# Allegro board Microroc_Hardroc2b_Test_Board.brd (continued)
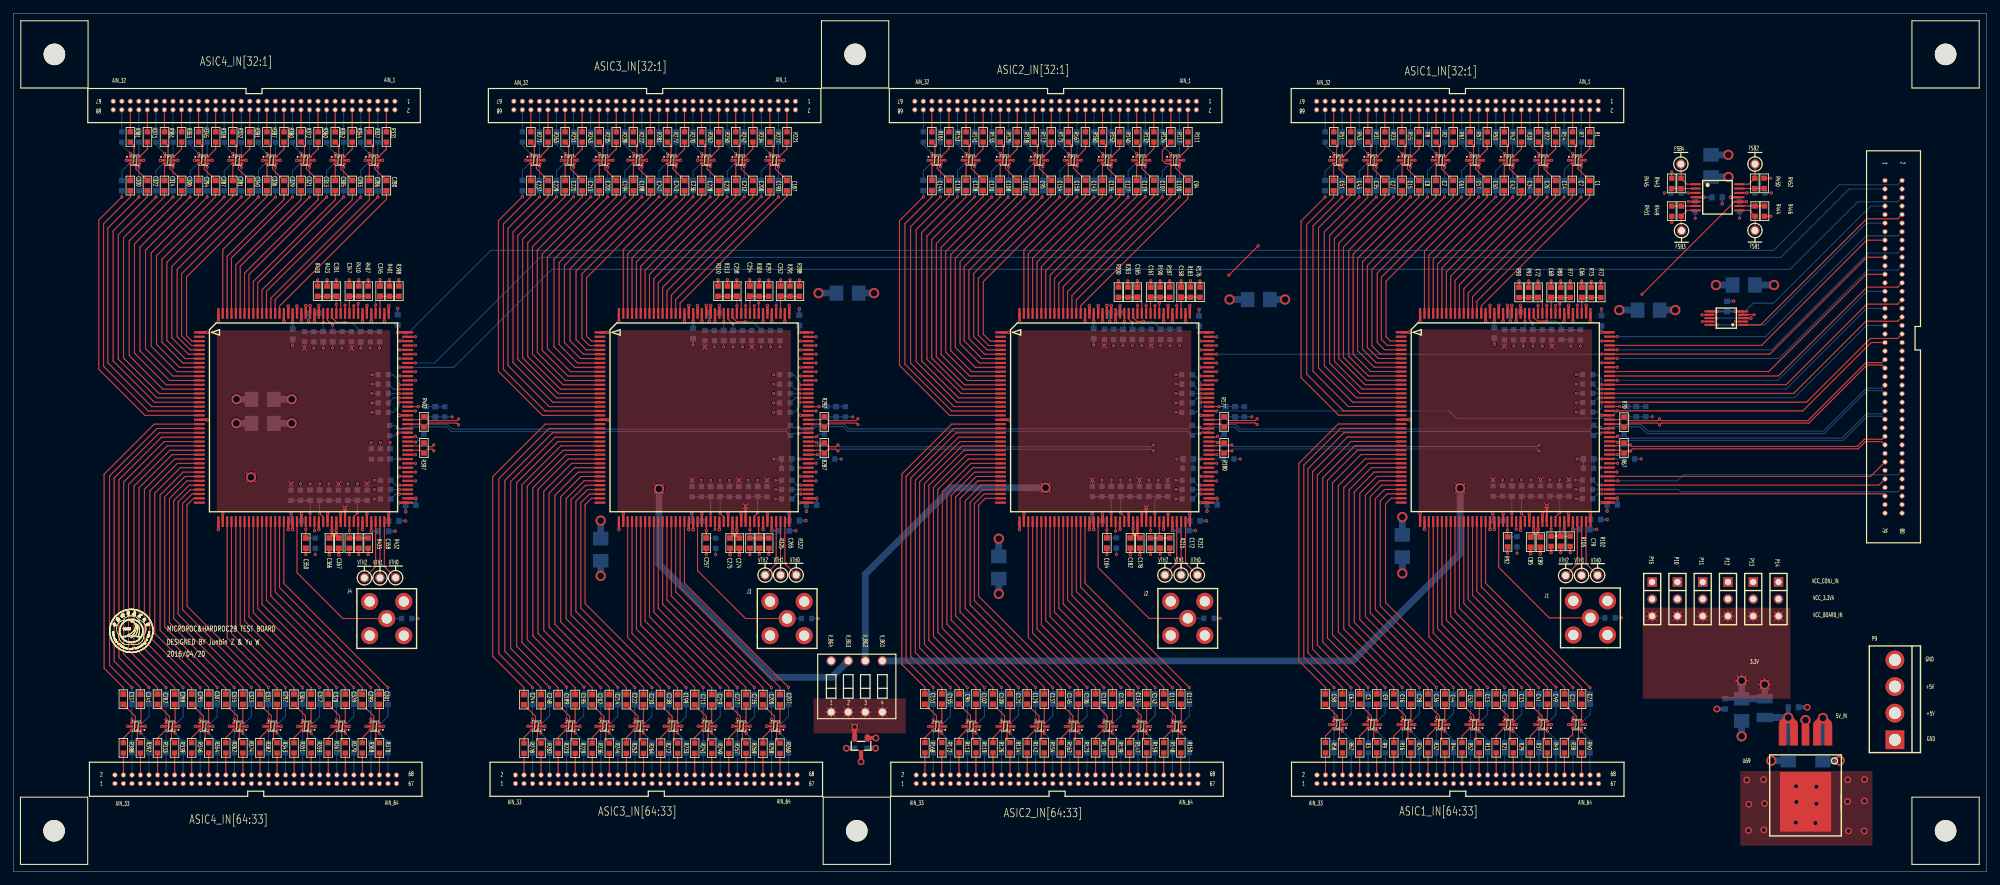
[diagram p0: board, top side]
## Footprints (pads in the part's own frame, mm; a bottom-side part is the same pattern mirrored in y, then rotated) (continued)
SWITCH-4P-DIP
  round 1.397 hole 1.016: 1(2.007,0.991) 2(4.547,0.991) 3(7.087,0.991) 4(9.627,0.991) 5(9.627,8.611) 6(7.087,8.611) 7(4.547,8.611) 8(2.007,8.611)
TP_40MIL
  round 1.397 hole 1.016: 1(0,0)
unnamed
  round 3.2 hole 3.2 unplated: (0,0)

## Nets
5V_IN: C373.1 P9.2 P9.3 U69.1(/SHDN) U69.2(IN)
GND: C65.1 C66.1 C67.1 C68.1 C69.1 C70.1 C71.1 C72.1 C73.2 C74.2 C75.1 C76.1 C77.1 C78.1 C79.1 C80.1 C81.1 C82.2 C83.2 C84.2 C85.2 C86.2 C87.2 C88.2 C89.2 C90.2 C91.2 C92.2 C93.1 C158.1 C159.1 C160.1 C161.1 C162.1 C163.1 C164.1 C165.1 C166.2 C167.1 C168.1 C169.1 C170.2 C171.1 C172.1 C173.1 C174.2 C175.2 C176.2 C177.2 C178.2 C179.2 C180.2 C181.2 C182.2 C183.1 C184.2 C185.2 C186.1 C251.1 C252.1 C253.1 C254.1 C255.1 C256.1 C257.1 C258.1 C259.2 C260.2 C261.1 C262.1 C263.1 C264.1 C265.1 C266.1 C267.2 C268.2 C269.2 C270.2 C271.2 C272.2 C273.2 C274.2 C275.2 C276.1 C277.2 C278.2 C279.1 C344.1 C345.1 C346.1 C347.1 C348.1 C349.1 C350.1 C351.1 C352.2 C353.1 C354.1 C355.2 C356.1 C357.1 C358.1 C359.1 C360.2 C361.2 C362.2 C363.2 C364.2 C365.2 C366.2 C367.2 C368.2 C369.1 C370.2 C371.2 C372.1 C373.2 C374.2 C375.2 C376.2 C377.2 C378.2 C379.2 C380.2 C381.2 C382.2 C383.2 J1.2 J1.3 J1.4 J1.5 J2.2 J2.3 J2.4 J2.5 J3.2 J3.3 J3.4 J3.5 J4.2 J4.3 J4.4 J4.5 P1.1 P1.2 P1.3 P1.5 P1.7 P1.9 P1.11 P1.13 P1.15 P1.17 P1.19 P1.21 P1.23 P1.25 P1.27 P1.29 P1.31 P1.33 P1.35 P1.37 P1.39 P1.41 P1.43 P1.45 P1.47 P1.49 P1.51 P1.53 P1.55 P1.57 P1.59 P1.61 P1.63 P1.65 P1.67 P1.68 P2.1 P2.2 P2.3 P2.5 P2.7 P2.9 P2.11 P2.13 P2.15 P2.17 P2.19 P2.21 P2.23 P2.25 P2.27 P2.29 P2.31 P2.33 P2.35 P2.37 P2.39 P2.41 P2.43 P2.45 P2.47 P2.49 P2.51 P2.53 P2.55 P2.57 P2.59 P2.61 P2.63 P2.65 P2.67 P2.68 P3.1 P3.2 P3.3 P3.5 P3.7 P3.9 P3.11 P3.13 P3.15 P3.17 P3.19 P3.21 P3.23 P3.25 P3.27 P3.29 P3.31 P3.33 P3.35 P3.37 P3.39 P3.41 P3.43 P3.45 P3.47 P3.49 P3.51 P3.53 P3.55 P3.57 P3.59 P3.61 P3.63 P3.65 P3.67 P3.68 P4.1 P4.2 P4.3 P4.5 P4.7 P4.9 P4.11 P4.13 P4.15 P4.17 P4.19 P4.21 P4.23 P4.25 P4.27 P4.29 P4.31 P4.33 P4.35 P4.37 P4.39 P4.41 P4.43 P4.45 P4.47 P4.49 P4.51 P4.53 P4.55 P4.57 P4.59 P4.61 P4.63 P4.65 P4.67 P4.68 P5.1 P5.2 P5.3 P5.5 P5.7 P5.9 P5.11 P5.13 P5.15 P5.17 P5.19 P5.21 P5.23 P5.25 P5.27 P5.29 P5.31 P5.33 P5.35 P5.37 P5.39 P5.41 P5.43 P5.45 P5.47 P5.49 P5.51 P5.53 P5.55 P5.57 P5.59 P5.61 P5.63 P5.65 P5.67 P5.68 P6.1 P6.2 P6.3 P6.5 P6.7 P6.9 P6.11 P6.13 P6.15 P6.17 P6.19 P6.21 P6.23 P6.25 P6.27 P6.29 P6.31 P6.33 P6.35 P6.37 P6.39 P6.41 P6.43 P6.45 P6.47 P6.49 P6.51 P6.53 P6.55 P6.57 P6.59 P6.61 P6.63 P6.65 P6.67 P6.68 P7.1 P7.2 P7.3 P7.5 P7.7 P7.9 P7.11 P7.13 P7.15 P7.17 P7.19 P7.21 P7.23 P7.25 P7.27 P7.29 P7.31 P7.33 P7.35 P7.37 P7.39 P7.41 P7.43 P7.45 P7.47 P7.49 P7.51 P7.53 P7.55 P7.57 P7.59 P7.61 P7.63 P7.65 P7.67 P7.68 P8.1 P8.2 P8.3 P8.5 P8.7 P8.9 P8.11 P8.13 P8.15 P8.17 P8.19 P8.21 P8.23 P8.25 P8.27 P8.29 P8.31 P8.33 P8.35 P8.37 P8.39 P8.41 P8.43 P8.45 P8.47 P8.49 P8.51 P8.53 P8.55 P8.57 P8.59 P8.61 P8.63 P8.65 P8.67 P8.68 P9.1 P9.4 R66.2 R73.2 R74.1 R75.2 R80.2 R85.2 R91.2 R92.2 R93.2 R97.2 R98.1 R99.2 R100.2 R104.2 R105.2 R106.2 R108.2 R110.2 R179.2 R183.2 R184.1 R185.2 R190.2 R195.2 R201.2 R202.2 R203.2 R207.2 R208.2 R209.1 R210.2 R214.2 R215.2 R216.2 R218.2 R220.2 R286.2 R291.2 R293.1 R295.2 R300.2 R305.2 R311.2 R312.2 R313.2 R317.2 R318.1 R319.2 R320.2 R324.2 R325.2 R326.2 R328.2 R330.2 R396.2 R401.2 R403.1 R405.2 R410.2 R415.2 R421.2 R422.2 R423.2 R427.2 R428.2 R429.2 R430.1 R434.2 R435.2 R436.2 R438.2 R440.2 R441.1 R442.1 R445.1 R446.1 R447.1 R448.1 R451.1 R452.1 U1.2(VN) U2.2(VN) U3.2(VN) U4.2(VN) U5.2(VN) U6.2(VN) U7.2(VN) U8.2(VN) U9.2(VN) U10.2(VN) U11.2(VN) U12.2(VN) U13.2(VN) U14.2(VN) U15.2(VN) U16.2(VN) U17.1(VSSI#1) U17.21(GND_PA#21) U17.41(VSSI#41) U17.42(GND_PA#42) U17.57(GND_PA#57) U17.58(VSSA#58) U17.64(GND_NMOS#64) U17.66(GND_DAC) U17.69(GND_BG) U17.74(VSSA#74) U17.75(VSSM#75) U17.81(VSSD#81) U17.101(VSSD#101) U17.121(VSSD#121) U17.122(GNDD) U17.125(GND_D) U17.126(VSSM#126) U17.127(VSSA#127) U17.138(GND_FSB1) U17.139(GND_FSB0) U17.140(GND_NMOS#140) U17.141(GND_CAPA) U17.142(GND_SS) U17.144(VSSA#144) U17.145(GND_PA#145) U17.160(GND_PA#160) U18.2(VN) U19.2(VN) U20.2(VN) U21.2(VN) U22.2(VN) U23.2(VN) U24.2(VN) U25.2(VN) U26.2(VN) U27.2(VN) U28.2(VN) U29.2(VN) U30.2(VN) U31.2(VN) U32.2(VN) U33.2(VN) U34.1(VSSI#1) U34.21(GND_PA#21) U34.41(VSSI#41) U34.42(GND_PA#42) U34.57(GND_PA#57) U34.58(VSSA#58) U34.64(GND_NMOS#64) U34.66(GND_DAC) U34.69(GND_BG) U34.74(VSSA#74) U34.75(VSSM#75) U34.81(VSSD#81) U34.101(VSSD#101) U34.121(VSSD#121) U34.122(GNDD) U34.125(GND_D) U34.126(VSSM#126) U34.127(VSSA#127) U34.138(GND_FSB1) U34.139(GND_FSB0) U34.140(GND_NMOS#140) U34.141(GND_CAPA) U34.142(GND_SS) U34.144(VSSA#144) U34.145(GND_PA#145) U34.160(GND_PA#160) U35.2(VN) U36.2(VN) U37.2(VN) U38.2(VN) U39.2(VN) U40.2(VN) U41.2(VN) U42.2(VN) U43.2(VN) U44.2(VN) U45.2(VN) U46.2(VN) U47.2(VN) U48.2(VN) U49.2(VN) U50.2(VN) U51.1(VSSI#1) U51.21(GND_PA#21) U51.41(VSSI#41) U51.42(GND_PA#42) U51.57(GND_PA#57) U51.58(VSSA#58) U51.64(GND_NMOS#64) U51.66(GND_DAC) U51.69(GND_BG) U51.74(VSSA#74) U51.75(VSSM#75) U51.81(VSSD#81) U51.101(VSSD#101) U51.121(VSSD#121) U51.122(GNDD) U51.125(GND_D) U51.126(VSSM#126) U51.127(VSSA#127) U51.138(GND_FSB1) U51.139(GND_FSB0) U51.140(GND_NMOS#140) U51.141(GND_CAPA) U51.142(GND_SS) U51.144(VSSA#144) U51.145(GND_PA#145) U51.160(GND_PA#160) U52.2(VN) U53.2(VN) U54.2(VN) U55.2(VN) U56.2(VN) U57.2(VN) U58.2(VN) U59.2(VN) U60.2(VN) U61.2(VN) U62.2(VN) U63.2(VN) U64.2(VN) U65.2(VN) U66.2(VN) U67.2(VN) U68.1(VSSI#1) U68.21(GND_PA#21) U68.41(VSSI#41) U68.42(GND_PA#42) U68.57(GND_PA#57) U68.58(VSSA#58) U68.64(GND_NMOS#64) U68.66(GND_DAC) U68.69(GND_BG) U68.74(VSSA#74) U68.75(VSSM#75) U68.81(VSSD#81) U68.101(VSSD#101) U68.121(VSSD#121) U68.122(GNDD) U68.125(GND_D) U68.126(VSSM#126) U68.127(VSSA#127) U68.138(GND_FSB1) U68.139(GND_FSB0) U68.140(GND_NMOS#140) U68.141(GND_CAPA) U68.142(GND_SS) U68.144(VSSA#144) U68.145(GND_PA#145) U68.160(GND_PA#160) U69.3(GND) U69.6(NC) U70.3(GND) U71.1 U71.4 U71.9 U71.12 U71.17 U71.20 U71.25 U71.28 U71.33 U71.36 U71.40 U71.41 U71.44 U71.46 U71.50 U71.52 U71.53 U71.56 U71.58 U71.62 U71.64 U71.65 U71.72 U71.73 U71.79 U71.80 U72.3(GND) U73.11(-VS)
VCC3.3VA: C82.1 C83.1 C84.1 C85.1 C86.1 C87.1 C88.1 C89.1 C90.1 C91.1 C92.1 C174.1 C175.1 C176.1 C177.1 C178.1 C179.1 C180.1 C181.1 C182.1 C184.1 C185.1 C267.1 C268.1 C269.1 C270.1 C271.1 C272.1 C273.1 C274.1 C275.1 C277.1 C278.1 C360.1 C361.1 C362.1 C363.1 C364.1 C365.1 C366.1 C367.1 C368.1 C370.1 C371.1 C378.1 C380.1 C381.1 C382.1 C383.1 P10.2 P11.2 P12.2 P13.2 P14.2 P15.2 R65.1 R71.1 R72.1 R76.1 R77.1 R78.2 R79.1 R81.1 R82.1 R83.1 R84.1 R86.1 R87.1 R89.1 R90.1 R95.1 R96.1 R102.1 R103.1 R175.1 R176.1 R178.1 R186.1 R187.1 R188.2 R189.1 R191.1 R192.1 R193.1 R194.1 R196.1 R197.1 R199.1 R200.1 R205.1 R206.1 R212.1 R213.1 R285.1 R288.1 R294.1 R296.1 R297.1 R298.2 R299.1 R301.1 R302.1 R303.1 R304.1 R306.1 R307.1 R309.1 R310.1 R315.1 R316.1 R322.1 R323.1 R395.1 R398.1 R404.1 R406.1 R407.1 R408.2 R409.1 R411.1 R412.1 R413.1 R414.1 R416.1 R417.1 R419.1 R420.1 R425.1 R426.1 R432.1 R433.1 U1.5(VP) U2.5(VP) U3.5(VP) U4.5(VP) U5.5(VP) U6.5(VP) U7.5(VP) U8.5(VP) U9.5(VP) U10.5(VP) U11.5(VP) U12.5(VP) U13.5(VP) U14.5(VP) U15.5(VP) U16.5(VP) U17.60(VDD_PA) U17.67(VDD_DAC) U17.68(VDD_BG) U17.76(VDD_D) U17.80(VDDD2) U17.82(VDDD#82) U17.120(VDDD#120) U17.137(VDD_FSB) U17.143(VDD_SS) U18.5(VP) U19.5(VP) U20.5(VP) U21.5(VP) U22.5(VP) U23.5(VP) U24.5(VP) U25.5(VP) U26.5(VP) U27.5(VP) U28.5(VP) U29.5(VP) U30.5(VP) U31.5(VP) U32.5(VP) U33.5(VP) U34.60(VDD_PA) U34.67(VDD_DAC) U34.68(VDD_BG) U34.76(VDD_D) U34.80(VDDD2) U34.82(VDDD#82) U34.120(VDDD#120) U34.137(VDD_FSB) U34.143(VDD_SS) U35.5(VP) U36.5(VP) U37.5(VP) U38.5(VP) U39.5(VP) U40.5(VP) U41.5(VP) U42.5(VP) U43.5(VP) U44.5(VP) U45.5(VP) U46.5(VP) U47.5(VP) U48.5(VP) U49.5(VP) U50.5(VP) U51.60(VDD_PA) U51.67(VDD_DAC) U51.68(VDD_BG) U51.76(VDD_D) U51.80(VDDD2) U51.82(VDDD#82) U51.120(VDDD#120) U51.137(VDD_FSB) U51.143(VDD_SS) U52.5(VP) U53.5(VP) U54.5(VP) U55.5(VP) U56.5(VP) U57.5(VP) U58.5(VP) U59.5(VP) U60.5(VP) U61.5(VP) U62.5(VP) U63.5(VP) U64.5(VP) U65.5(VP) U66.5(VP) U67.5(VP) U68.60(VDD_PA) U68.67(VDD_DAC) U68.68(VDD_BG) U68.76(VDD_D) U68.80(VDDD2) U68.82(VDDD#82) U68.120(VDDD#120) U68.137(VDD_FSB) U68.143(VDD_SS) U70.1(IN) U72.5(EN) U72.6(VDD) U73.4(+VS)
VCC_BRD_IN: C375.1 C377.1 L1.2 P10.3 P11.3 P12.3 P13.3 P14.3 P15.3
VCC_CON_IN: P10.1 P11.1 P12.1 P13.1 P14.1 P15.1 U71.5 U71.8 U71.13 U71.16 U71.21 U71.24 U71.29 U71.32 U71.37 U71.42 U71.47 U71.59 U71.68 U71.69 U71.76 U71.77
A0: U71.10 U72.1(A0)
A1: U71.11 U72.10(A1)
AIN1_ASIC1: C1.2 U17.146(IN<0>)
AIN1_ASIC2: C94.2 U34.146(IN<0>)
AIN1_ASIC3: C187.2 U51.146(IN<0>)
AIN1_ASIC4: C280.2 U68.146(IN<0>)
AIN2_ASIC1: C4.2 U17.147(IN<1>)
AIN2_ASIC2: C97.2 U34.147(IN<1>)
AIN2_ASIC3: C190.2 U51.147(IN<1>)
AIN2_ASIC4: C283.2 U68.147(IN<1>)
AIN3_ASIC1: C7.2 U17.148(IN<2>)
AIN3_ASIC2: C100.2 U34.148(IN<2>)
AIN3_ASIC3: C193.2 U51.148(IN<2>)
AIN3_ASIC4: C286.2 U68.148(IN<2>)
AIN4_ASIC1: C10.2 U17.149(IN<3>)
AIN4_ASIC2: C103.2 U34.149(IN<3>)
AIN4_ASIC3: C196.2 U51.149(IN<3>)
AIN4_ASIC4: C289.2 U68.149(IN<3>)
AIN5_ASIC1: C14.2 U17.150(IN<4>)
AIN5_ASIC2: C107.2 U34.150(IN<4>)
AIN5_ASIC3: C200.2 U51.150(IN<4>)
AIN5_ASIC4: C293.2 U68.150(IN<4>)
AIN6_ASIC1: C18.2 U17.151(IN<5>)
AIN6_ASIC2: C115.2 U34.151(IN<5>)
AIN6_ASIC3: C204.2 U51.151(IN<5>)
AIN6_ASIC4: C297.2 U68.151(IN<5>)
AIN7_ASIC1: C26.2 U17.152(IN<6>)
AIN7_ASIC2: C119.2 U34.152(IN<6>)
AIN7_ASIC3: C212.2 U51.152(IN<6>)
AIN7_ASIC4: C305.2 U68.152(IN<6>)
AIN8_ASIC1: C30.2 U17.153(IN<7>)
AIN8_ASIC2: C123.2 U34.153(IN<7>)
AIN8_ASIC3: C216.2 U51.153(IN<7>)
AIN8_ASIC4: C309.2 U68.153(IN<7>)
AIN9_ASIC1: C34.2 U17.154(IN<8>)
AIN9_ASIC2: C127.2 U34.154(IN<8>)
AIN9_ASIC3: C220.2 U51.154(IN<8>)
AIN9_ASIC4: C313.2 U68.154(IN<8>)
AIN10_ASIC1: C38.2 U17.155(IN<9>)
AIN10_ASIC2: C131.2 U34.155(IN<9>)
AIN10_ASIC3: C224.2 U51.155(IN<9>)
AIN10_ASIC4: C317.2 U68.155(IN<9>)
AIN11_ASIC1: C42.2 U17.156(IN<10>)
AIN11_ASIC2: C135.2 U34.156(IN<10>)
AIN11_ASIC3: C228.2 U51.156(IN<10>)
AIN11_ASIC4: C321.2 U68.156(IN<10>)
AIN12_ASIC1: C46.2 U17.157(IN<11>)
AIN12_ASIC2: C139.2 U34.157(IN<11>)
AIN12_ASIC3: C232.2 U51.157(IN<11>)
AIN12_ASIC4: C325.2 U68.157(IN<11>)
AIN13_ASIC1: C50.2 U17.158(IN<12>)
AIN13_ASIC2: C143.2 U34.158(IN<12>)
AIN13_ASIC3: C236.2 U51.158(IN<12>)
AIN13_ASIC4: C329.2 U68.158(IN<12>)
AIN14_ASIC1: C54.2 U17.159(IN<13>)
AIN14_ASIC2: C147.2 U34.159(IN<13>)
AIN14_ASIC3: C240.2 U51.159(IN<13>)
AIN14_ASIC4: C333.2 U68.159(IN<13>)
AIN15_ASIC1: C57.2 U17.3(IN<14>)
AIN15_ASIC2: C150.2 U34.3(IN<14>)
AIN15_ASIC3: C243.2 U51.3(IN<14>)
AIN15_ASIC4: C336.2 U68.3(IN<14>)
AIN16_ASIC1: C59.2 U17.4(IN<15>)
AIN16_ASIC2: C152.2 U34.4(IN<15>)
AIN16_ASIC3: C245.2 U51.4(IN<15>)
AIN16_ASIC4: C338.2 U68.4(IN<15>)
AIN17_ASIC1: C61.2 U17.5(IN<16>)
AIN17_ASIC2: C154.2 U34.5(IN<16>)
AIN17_ASIC3: C247.2 U51.5(IN<16>)
AIN17_ASIC4: C340.2 U68.5(IN<16>)
AIN18_ASIC1: C63.2 U17.6(IN<17>)
AIN18_ASIC2: C156.2 U34.6(IN<17>)
AIN18_ASIC3: C249.2 U51.6(IN<17>)
AIN18_ASIC4: C342.2 U68.6(IN<17>)
AIN19_ASIC1: C2.2 U17.7(IN<18>)
AIN19_ASIC2: C95.2 U34.7(IN<18>)
AIN19_ASIC3: C188.2 U51.7(IN<18>)
AIN19_ASIC4: C281.2 U68.7(IN<18>)
AIN20_ASIC1: C5.2 U17.8(IN<19>)
AIN20_ASIC2: C98.2 U34.8(IN<19>)
AIN20_ASIC3: C191.2 U51.8(IN<19>)
AIN20_ASIC4: C284.2 U68.8(IN<19>)
AIN21_ASIC1: C8.2 U17.9(IN<20>)
AIN21_ASIC2: C101.2 U34.9(IN<20>)
AIN21_ASIC3: C194.2 U51.9(IN<20>)
AIN21_ASIC4: C287.2 U68.9(IN<20>)
AIN22_ASIC1: C11.2 U17.10(IN<21>)
AIN22_ASIC2: C104.2 U34.10(IN<21>)
AIN22_ASIC3: C197.2 U51.10(IN<21>)
AIN22_ASIC4: C290.2 U68.10(IN<21>)
AIN23_ASIC1: C15.2 U17.11(IN<22>)
AIN23_ASIC2: C108.2 U34.11(IN<22>)
AIN23_ASIC3: C201.2 U51.11(IN<22>)
AIN23_ASIC4: C294.2 U68.11(IN<22>)
AIN24_ASIC1: C19.2 U17.12(IN<23>)
AIN24_ASIC2: C116.2 U34.12(IN<23>)
AIN24_ASIC3: C209.2 U51.12(IN<23>)
AIN24_ASIC4: C298.2 U68.12(IN<23>)
AIN25_ASIC1: C27.2 U17.13(IN<24>)
AIN25_ASIC2: C120.2 U34.13(IN<24>)
AIN25_ASIC3: C213.2 U51.13(IN<24>)
AIN25_ASIC4: C306.2 U68.13(IN<24>)
AIN26_ASIC1: C31.2 U17.14(IN<25>)
AIN26_ASIC2: C124.2 U34.14(IN<25>)
AIN26_ASIC3: C217.2 U51.14(IN<25>)
AIN26_ASIC4: C310.2 U68.14(IN<25>)
AIN27_ASIC1: C35.2 U17.15(IN<26>)
AIN27_ASIC2: C128.2 U34.15(IN<26>)
AIN27_ASIC3: C221.2 U51.15(IN<26>)
AIN27_ASIC4: C314.2 U68.15(IN<26>)
AIN28_ASIC1: C39.2 U17.16(IN<27>)
AIN28_ASIC2: C132.2 U34.16(IN<27>)
AIN28_ASIC3: C225.2 U51.16(IN<27>)
AIN28_ASIC4: C318.2 U68.16(IN<27>)
AIN29_ASIC1: C43.2 U17.17(IN<28>)
AIN29_ASIC2: C136.2 U34.17(IN<28>)
AIN29_ASIC3: C229.2 U51.17(IN<28>)
AIN29_ASIC4: C322.2 U68.17(IN<28>)
AIN30_ASIC1: C47.2 U17.18(IN<29>)
AIN30_ASIC2: C140.2 U34.18(IN<29>)
AIN30_ASIC3: C233.2 U51.18(IN<29>)
AIN30_ASIC4: C326.2 U68.18(IN<29>)
AIN31_ASIC1: C51.2 U17.19(IN<30>)
AIN31_ASIC2: C144.2 U34.19(IN<30>)
AIN31_ASIC3: C237.2 U51.19(IN<30>)
AIN31_ASIC4: C330.2 U68.19(IN<30>)
AIN32_ASIC1: C55.2 U17.20(IN<31>)
AIN32_ASIC2: C148.2 U34.20(IN<31>)
AIN32_ASIC3: C241.2 U51.20(IN<31>)
AIN32_ASIC4: C334.2 U68.20(IN<31>)
AIN33_ASIC1: C58.2 U17.22(IN<32>)
AIN33_ASIC2: C151.2 U34.22(IN<32>)
AIN33_ASIC3: C244.2 U51.22(IN<32>)
AIN33_ASIC4: C337.2 U68.22(IN<32>)
AIN34_ASIC1: C60.2 U17.23(IN<33>)
AIN34_ASIC2: C153.2 U34.23(IN<33>)
AIN34_ASIC3: C246.2 U51.23(IN<33>)
AIN34_ASIC4: C339.2 U68.23(IN<33>)
AIN35_ASIC1: C62.2 U17.24(IN<34>)
AIN35_ASIC2: C155.2 U34.24(IN<34>)
AIN35_ASIC3: C248.2 U51.24(IN<34>)
AIN35_ASIC4: C341.2 U68.24(IN<34>)
AIN36_ASIC1: C64.2 U17.25(IN<35>)
AIN36_ASIC2: C157.2 U34.25(IN<35>)
AIN36_ASIC3: C250.2 U51.25(IN<35>)
AIN36_ASIC4: C343.2 U68.25(IN<35>)
AIN37_ASIC1: C3.2 U17.26(IN<36>)
AIN37_ASIC2: C96.2 U34.26(IN<36>)
AIN37_ASIC3: C189.2 U51.26(IN<36>)
AIN37_ASIC4: C282.2 U68.26(IN<36>)
AIN38_ASIC1: C6.2 U17.27(IN<37>)
AIN38_ASIC2: C99.2 U34.27(IN<37>)
AIN38_ASIC3: C192.2 U51.27(IN<37>)
AIN38_ASIC4: C285.2 U68.27(IN<37>)
AIN39_ASIC1: C9.2 U17.28(IN<38>)
AIN39_ASIC2: C102.2 U34.28(IN<38>)
AIN39_ASIC3: C195.2 U51.28(IN<38>)
AIN39_ASIC4: C288.2 U68.28(IN<38>)
AIN40_ASIC1: C12.2 U17.29(IN<39>)
AIN40_ASIC2: C105.2 U34.29(IN<39>)
AIN40_ASIC3: C198.2 U51.29(IN<39>)
AIN40_ASIC4: C291.2 U68.29(IN<39>)
AIN41_ASIC1: C16.2 U17.30(IN<40>)
AIN41_ASIC2: C109.2 U34.30(IN<40>)
AIN41_ASIC3: C202.2 U51.30(IN<40>)
AIN41_ASIC4: C295.2 U68.30(IN<40>)
AIN42_ASIC1: C20.2 U17.31(IN<41>)
AIN42_ASIC2: C117.2 U34.31(IN<41>)
AIN42_ASIC3: C210.2 U51.31(IN<41>)
AIN42_ASIC4: C303.2 U68.31(IN<41>)
AIN43_ASIC1: C28.2 U17.32(IN<42>)
AIN43_ASIC2: C121.2 U34.32(IN<42>)
AIN43_ASIC3: C214.2 U51.32(IN<42>)
AIN43_ASIC4: C307.2 U68.32(IN<42>)
AIN44_ASIC1: C32.2 U17.33(IN<43>)
AIN44_ASIC2: C125.2 U34.33(IN<43>)
AIN44_ASIC3: C218.2 U51.33(IN<43>)
AIN44_ASIC4: C311.2 U68.33(IN<43>)
AIN45_ASIC1: C36.2 U17.34(IN<44>)
AIN45_ASIC2: C129.2 U34.34(IN<44>)
AIN45_ASIC3: C222.2 U51.34(IN<44>)
AIN45_ASIC4: C315.2 U68.34(IN<44>)
AIN46_ASIC1: C40.2 U17.35(IN<45>)
AIN46_ASIC2: C133.2 U34.35(IN<45>)
AIN46_ASIC3: C226.2 U51.35(IN<45>)
AIN46_ASIC4: C319.2 U68.35(IN<45>)
AIN47_ASIC1: C44.2 U17.36(IN<46>)
AIN47_ASIC2: C137.2 U34.36(IN<46>)
AIN47_ASIC3: C230.2 U51.36(IN<46>)
AIN47_ASIC4: C323.2 U68.36(IN<46>)
AIN48_ASIC1: C48.2 U17.37(IN<47>)
AIN48_ASIC2: C141.2 U34.37(IN<47>)
AIN48_ASIC3: C234.2 U51.37(IN<47>)
AIN48_ASIC4: C327.2 U68.37(IN<47>)
AIN49_ASIC1: C52.2 U17.38(IN<48>)
AIN49_ASIC2: C145.2 U34.38(IN<48>)
AIN49_ASIC3: C238.2 U51.38(IN<48>)
AIN49_ASIC4: C331.2 U68.38(IN<48>)
AIN50_ASIC1: C56.2 U17.39(IN<49>)
AIN50_ASIC2: C149.2 U34.39(IN<49>)
AIN50_ASIC3: C242.2 U51.39(IN<49>)
AIN50_ASIC4: C335.2 U68.39(IN<49>)
AIN51_ASIC1: C13.2 U17.43(IN<50>)
AIN51_ASIC2: C106.2 U34.43(IN<50>)
AIN51_ASIC3: C199.2 U51.43(IN<50>)
AIN51_ASIC4: C292.2 U68.43(IN<50>)
AIN52_ASIC1: C17.2 U17.44(IN<51>)
AIN52_ASIC2: C110.2 U34.44(IN<51>)
AIN52_ASIC3: C203.2 U51.44(IN<51>)
AIN52_ASIC4: C296.2 U68.44(IN<51>)
AIN53_ASIC1: C25.2 U17.45(IN<52>)
AIN53_ASIC2: C118.2 U34.45(IN<52>)
AIN53_ASIC3: C211.2 U51.45(IN<52>)
AIN53_ASIC4: C304.2 U68.45(IN<52>)
AIN54_ASIC1: C29.2 U17.46(IN<53>)
AIN54_ASIC2: C122.2 U34.46(IN<53>)
AIN54_ASIC3: C215.2 U51.46(IN<53>)
AIN54_ASIC4: C308.2 U68.46(IN<53>)
AIN55_ASIC1: C33.2 U17.47(IN<54>)
AIN55_ASIC2: C126.2 U34.47(IN<54>)
AIN55_ASIC3: C219.2 U51.47(IN<54>)
AIN55_ASIC4: C312.2 U68.47(IN<54>)
AIN56_ASIC1: C37.2 U17.48(IN<55>)
AIN56_ASIC2: C130.2 U34.48(IN<55>)
AIN56_ASIC3: C223.2 U51.48(IN<55>)
AIN56_ASIC4: C316.2 U68.48(IN<55>)
AIN57_ASIC1: C41.2 U17.49(IN<56>)
AIN57_ASIC2: C134.2 U34.49(IN<56>)
AIN57_ASIC3: C227.2 U51.49(IN<56>)
AIN57_ASIC4: C320.2 U68.49(IN<56>)
AIN58_ASIC1: C45.2 U17.50(IN<57>)
AIN58_ASIC2: C138.2 U34.50(IN<57>)
AIN58_ASIC3: C231.2 U51.50(IN<57>)
AIN58_ASIC4: C324.2 U68.50(IN<57>)
AIN59_ASIC1: C49.2 U17.51(IN<58>)
AIN59_ASIC2: C142.2 U34.51(IN<58>)
AIN59_ASIC3: C235.2 U51.51(IN<58>)
AIN59_ASIC4: C328.2 U68.51(IN<58>)
AIN60_ASIC1: C53.2 U17.52(IN<59>)
AIN60_ASIC2: C146.2 U34.52(IN<59>)
AIN60_ASIC3: C239.2 U51.52(IN<59>)
AIN60_ASIC4: C332.2 U68.52(IN<59>)
AIN61_ASIC1: C21.2 U17.53(IN<60>)
AIN61_ASIC2: C111.2 U34.53(IN<60>)
AIN61_ASIC3: C205.2 U51.53(IN<60>)
AIN61_ASIC4: C299.2 U68.53(IN<60>)
AIN62_ASIC1: C22.2 U17.54(IN<61>)
AIN62_ASIC2: C112.2 U34.54(IN<61>)
AIN62_ASIC3: C206.2 U51.54(IN<61>)
AIN62_ASIC4: C300.2 U68.54(IN<61>)
AIN63_ASIC1: C23.2 U17.55(IN<62>)
AIN63_ASIC2: C113.2 U34.55(IN<62>)
AIN63_ASIC3: C207.2 U51.55(IN<62>)
AIN63_ASIC4: C301.2 U68.55(IN<62>)
AIN64_ASIC1: C24.2 U17.56(IN<63>)
AIN64_ASIC2: C114.2 U34.56(IN<63>)
AIN64_ASIC3: C208.2 U51.56(IN<63>)
AIN64_ASIC4: C302.2 U68.56(IN<63>)
AIN_1_ASIC1: P2.4 R1.1
AIN_1_ASIC2: P3.4 R111.1
AIN_1_ASIC3: P5.4 R221.1
AIN_1_ASIC4: P7.4 R331.1
AIN_2_ASIC1: P2.6 R4.1
AIN_2_ASIC2: P3.6 R114.1
AIN_2_ASIC3: P5.6 R224.1
AIN_2_ASIC4: P7.6 R334.1
AIN_3_ASIC1: P2.8 R7.1
AIN_3_ASIC2: P3.8 R117.1
AIN_3_ASIC3: P5.8 R227.1
AIN_3_ASIC4: P7.8 R337.1
AIN_4_ASIC1: P2.10 R10.1
AIN_4_ASIC2: P3.10 R120.1
AIN_4_ASIC3: P5.10 R230.1
AIN_4_ASIC4: P7.10 R340.1
AIN_5_ASIC1: P2.12 R14.1
AIN_5_ASIC2: P3.12 R124.1
AIN_5_ASIC3: P5.12 R234.1
AIN_5_ASIC4: P7.12 R344.1
AIN_6_ASIC1: P2.14 R18.1
AIN_6_ASIC2: P3.14 R128.1
AIN_6_ASIC3: P5.14 R238.1
AIN_6_ASIC4: P7.14 R348.1
AIN_7_ASIC1: P2.16 R22.1
AIN_7_ASIC2: P3.16 R132.1
AIN_7_ASIC3: P5.16 R242.1
AIN_7_ASIC4: P7.16 R352.1
AIN_8_ASIC1: P2.18 R26.1
AIN_8_ASIC2: P3.18 R136.1
AIN_8_ASIC3: P5.18 R246.1
AIN_8_ASIC4: P7.18 R356.1
AIN_9_ASIC1: P2.20 R30.1
AIN_9_ASIC2: P3.20 R140.1
AIN_9_ASIC3: P5.20 R250.1
AIN_9_ASIC4: P7.20 R360.1
AIN_10_ASIC1: P2.22 R34.1
AIN_10_ASIC2: P3.22 R144.1
AIN_10_ASIC3: P5.22 R254.1
AIN_10_ASIC4: P7.22 R364.1
AIN_11_ASIC1: P2.24 R42.1
AIN_11_ASIC2: P3.24 R152.1
AIN_11_ASIC3: P5.24 R262.1
AIN_11_ASIC4: P7.24 R372.1
AIN_12_ASIC1: P2.26 R46.1
AIN_12_ASIC2: P3.26 R156.1
AIN_12_ASIC3: P5.26 R266.1
AIN_12_ASIC4: P7.26 R376.1
AIN_13_ASIC1: P2.28 R50.1
AIN_13_ASIC2: P3.28 R160.1
AIN_13_ASIC3: P5.28 R270.1
AIN_13_ASIC4: P7.28 R380.1
AIN_14_ASIC1: P2.30 R54.1
AIN_14_ASIC2: P3.30 R164.1
AIN_14_ASIC3: P5.30 R274.1
AIN_14_ASIC4: P7.30 R384.1
AIN_15_ASIC1: P2.32 R57.1
AIN_15_ASIC2: P3.32 R167.1
AIN_15_ASIC3: P5.32 R277.1
AIN_15_ASIC4: P7.32 R387.1
AIN_16_ASIC1: P2.34 R59.1
AIN_16_ASIC2: P3.34 R169.1
AIN_16_ASIC3: P5.34 R279.1
AIN_16_ASIC4: P7.34 R389.1
AIN_17_ASIC1: P2.36 R61.1
AIN_17_ASIC2: P3.36 R171.1
AIN_17_ASIC3: P5.36 R281.1
AIN_17_ASIC4: P7.36 R391.1
AIN_18_ASIC1: P2.38 R63.1
AIN_18_ASIC2: P3.38 R173.1
AIN_18_ASIC3: P5.38 R283.1
AIN_18_ASIC4: P7.38 R393.1
AIN_19_ASIC1: P2.40 R2.1
AIN_19_ASIC2: P3.40 R112.1
AIN_19_ASIC3: P5.40 R222.1
AIN_19_ASIC4: P7.40 R332.1
AIN_20_ASIC1: P2.42 R5.1
AIN_20_ASIC2: P3.42 R115.1
AIN_20_ASIC3: P5.42 R225.1
AIN_20_ASIC4: P7.42 R335.1
AIN_21_ASIC1: P2.44 R8.1
AIN_21_ASIC2: P3.44 R118.1
AIN_21_ASIC3: P5.44 R228.1
AIN_21_ASIC4: P7.44 R338.1
AIN_22_ASIC1: P2.46 R11.1
AIN_22_ASIC2: P3.46 R121.1
AIN_22_ASIC3: P5.46 R231.1
AIN_22_ASIC4: P7.46 R341.1
AIN_23_ASIC1: P2.48 R15.1
AIN_23_ASIC2: P3.48 R125.1
AIN_23_ASIC3: P5.48 R235.1
AIN_23_ASIC4: P7.48 R345.1
AIN_24_ASIC1: P2.50 R19.1
AIN_24_ASIC2: P3.50 R129.1
AIN_24_ASIC3: P5.50 R239.1
AIN_24_ASIC4: P7.50 R349.1
AIN_25_ASIC1: P2.52 R23.1
AIN_25_ASIC2: P3.52 R133.1
AIN_25_ASIC3: P5.52 R243.1
AIN_25_ASIC4: P7.52 R353.1
AIN_26_ASIC1: P2.54 R27.1
AIN_26_ASIC2: P3.54 R137.1
AIN_26_ASIC3: P5.54 R247.1
AIN_26_ASIC4: P7.54 R357.1
AIN_27_ASIC1: P2.56 R31.1
AIN_27_ASIC2: P3.56 R141.1
AIN_27_ASIC3: P5.56 R251.1
AIN_27_ASIC4: P7.56 R361.1
AIN_28_ASIC1: P2.58 R35.1
AIN_28_ASIC2: P3.58 R145.1
AIN_28_ASIC3: P5.58 R255.1
AIN_28_ASIC4: P7.58 R365.1
AIN_29_ASIC1: P2.60 R43.1
AIN_29_ASIC2: P3.60 R153.1
AIN_29_ASIC3: P5.60 R263.1
AIN_29_ASIC4: P7.60 R373.1
AIN_30_ASIC1: P2.62 R47.1
AIN_30_ASIC2: P3.62 R157.1
AIN_30_ASIC3: P5.62 R267.1
AIN_30_ASIC4: P7.62 R377.1
AIN_31_ASIC1: P2.64 R51.1
AIN_31_ASIC2: P3.64 R161.1
AIN_31_ASIC3: P5.64 R271.1
AIN_31_ASIC4: P7.64 R381.1
AIN_32_ASIC1: P2.66 R55.1
AIN_32_ASIC2: P3.66 R165.1
AIN_32_ASIC3: P5.66 R275.1
AIN_32_ASIC4: P7.66 R385.1
AIN_33_ASIC1: P1.4 R58.1
AIN_33_ASIC2: P4.4 R168.1
AIN_33_ASIC3: P6.4 R278.1
AIN_33_ASIC4: P8.4 R388.1
AIN_34_ASIC1: P1.6 R60.1
AIN_34_ASIC2: P4.6 R170.1
AIN_34_ASIC3: P6.6 R280.1
AIN_34_ASIC4: P8.6 R390.1
AIN_35_ASIC1: P1.8 R62.1
AIN_35_ASIC2: P4.8 R172.1
AIN_35_ASIC3: P6.8 R282.1
AIN_35_ASIC4: P8.8 R392.1
AIN_36_ASIC1: P1.10 R64.1
AIN_36_ASIC2: P4.10 R174.1
AIN_36_ASIC3: P6.10 R284.1
AIN_36_ASIC4: P8.10 R394.1
AIN_37_ASIC1: P1.12 R3.1
AIN_37_ASIC2: P4.12 R113.1
AIN_37_ASIC3: P6.12 R223.1
AIN_37_ASIC4: P8.12 R333.1
AIN_38_ASIC1: P1.14 R6.1
AIN_38_ASIC2: P4.14 R116.1
AIN_38_ASIC3: P6.14 R226.1
AIN_38_ASIC4: P8.14 R336.1
AIN_39_ASIC1: P1.16 R9.1
AIN_39_ASIC2: P4.16 R119.1
AIN_39_ASIC3: P6.16 R229.1
AIN_39_ASIC4: P8.16 R339.1
AIN_40_ASIC1: P1.18 R12.1
AIN_40_ASIC2: P4.18 R122.1
AIN_40_ASIC3: P6.18 R232.1
AIN_40_ASIC4: P8.18 R342.1
AIN_41_ASIC1: P1.20 R16.1
AIN_41_ASIC2: P4.20 R126.1
AIN_41_ASIC3: P6.20 R236.1
AIN_41_ASIC4: P8.20 R346.1
AIN_42_ASIC1: P1.22 R20.1
AIN_42_ASIC2: P4.22 R130.1
AIN_42_ASIC3: P6.22 R240.1
AIN_42_ASIC4: P8.22 R350.1
AIN_43_ASIC1: P1.24 R24.1
AIN_43_ASIC2: P4.24 R134.1
AIN_43_ASIC3: P6.24 R244.1
AIN_43_ASIC4: P8.24 R354.1
AIN_44_ASIC1: P1.26 R28.1
AIN_44_ASIC2: P4.26 R138.1
AIN_44_ASIC3: P6.26 R248.1
AIN_44_ASIC4: P8.26 R358.1
AIN_45_ASIC1: P1.28 R32.1
AIN_45_ASIC2: P4.28 R142.1
AIN_45_ASIC3: P6.28 R252.1
AIN_45_ASIC4: P8.28 R362.1
AIN_46_ASIC1: P1.30 R36.1
AIN_46_ASIC2: P4.30 R146.1
AIN_46_ASIC3: P6.30 R256.1
AIN_46_ASIC4: P8.30 R366.1
AIN_47_ASIC1: P1.32 R44.1
AIN_47_ASIC2: P4.32 R154.1
AIN_47_ASIC3: P6.32 R264.1
AIN_47_ASIC4: P8.32 R374.1
AIN_48_ASIC1: P1.34 R48.1
AIN_48_ASIC2: P4.34 R158.1
AIN_48_ASIC3: P6.34 R268.1
AIN_48_ASIC4: P8.34 R378.1
AIN_49_ASIC1: P1.36 R52.1
AIN_49_ASIC2: P4.36 R162.1
AIN_49_ASIC3: P6.36 R272.1
AIN_49_ASIC4: P8.36 R382.1
AIN_50_ASIC1: P1.38 R56.1
AIN_50_ASIC2: P4.38 R166.1
AIN_50_ASIC3: P6.38 R276.1
AIN_50_ASIC4: P8.38 R386.1
AIN_51_ASIC1: P1.40 R13.1
AIN_51_ASIC2: P4.40 R123.1
AIN_51_ASIC3: P6.40 R233.1
AIN_51_ASIC4: P8.40 R343.1
AIN_52_ASIC1: P1.42 R17.1
AIN_52_ASIC2: P4.42 R127.1
AIN_52_ASIC3: P6.42 R237.1
AIN_52_ASIC4: P8.42 R347.1
AIN_53_ASIC1: P1.44 R21.1
AIN_53_ASIC2: P4.44 R131.1
AIN_53_ASIC3: P6.44 R241.1
AIN_53_ASIC4: P8.44 R351.1
AIN_54_ASIC1: P1.46 R25.1
AIN_54_ASIC2: P4.46 R135.1
AIN_54_ASIC3: P6.46 R245.1
AIN_54_ASIC4: P8.46 R355.1
AIN_55_ASIC1: P1.48 R29.1
AIN_55_ASIC2: P4.48 R139.1
AIN_55_ASIC3: P6.48 R249.1
AIN_55_ASIC4: P8.48 R359.1
AIN_56_ASIC1: P1.50 R33.1
AIN_56_ASIC2: P4.50 R143.1
AIN_56_ASIC3: P6.50 R253.1
AIN_56_ASIC4: P8.50 R363.1
AIN_57_ASIC1: P1.52 R37.1
AIN_57_ASIC2: P4.52 R147.1
AIN_57_ASIC3: P6.52 R257.1
AIN_57_ASIC4: P8.52 R367.1
AIN_58_ASIC1: P1.54 R45.1
AIN_58_ASIC2: P4.54 R155.1
AIN_58_ASIC3: P6.54 R265.1
AIN_58_ASIC4: P8.54 R375.1
AIN_59_ASIC1: P1.56 R49.1
AIN_59_ASIC2: P4.56 R159.1
AIN_59_ASIC3: P6.56 R269.1
AIN_59_ASIC4: P8.56 R379.1
AIN_60_ASIC1: P1.58 R53.1
AIN_60_ASIC2: P4.58 R163.1
AIN_60_ASIC3: P6.58 R273.1
AIN_60_ASIC4: P8.58 R383.1
AIN_61_ASIC1: P1.60 R38.1
AIN_61_ASIC2: P4.60 R148.1
AIN_61_ASIC3: P6.60 R258.1
AIN_61_ASIC4: P8.60 R368.1
AIN_62_ASIC1: P1.62 R39.1
AIN_62_ASIC2: P4.62 R149.1
AIN_62_ASIC3: P6.62 R259.1
AIN_62_ASIC4: P8.62 R369.1
AIN_63_ASIC1: P1.64 R40.1
AIN_63_ASIC2: P4.64 R150.1
AIN_63_ASIC3: P6.64 R260.1
AIN_63_ASIC4: P8.64 R370.1
AIN_64_ASIC1: P1.66 R41.1
AIN_64_ASIC2: P4.66 R151.1
AIN_64_ASIC3: P6.66 R261.1
AIN_64_ASIC4: P8.66 R371.1
CHIPSATB: R81.2 R191.2 R301.2 R411.2 U17.108(CHIPSATB) U34.108(CHIPSATB) U51.108(CHIPSATB) U68.108(CHIPSATB) U71.30
CK_5N: R69.1 R182.1 R290.1 R400.1 U17.98(CK_5N) U34.98(CK_5N) U51.98(CK_5N) U68.98(CK_5N) U71.49
CK_5P: R69.2 R182.2 R290.2 R400.2 U17.97(CK_5P) U34.97(CK_5P) U51.97(CK_5P) U68.97(CK_5P) U71.51
CK_40N: R70.2 R177.2 R292.2 R402.2 U17.100(CK_40N) U34.100(CK_40N) U51.100(CK_40N) U68.100(CK_40N) U71.43
CK_40P: R70.1 R177.1 R292.1 R402.1 U17.99(CK_40P) U34.99(CK_40P) U51.99(CK_40P) U68.99(CK_40P) U71.45
DOUT1B: R86.2 R196.2 R306.2 R416.2 U17.104(DOUT1B) U34.104(DOUT1B) U51.104(DOUT1B) U68.104(DOUT1B) U71.38
DOUT2B: R87.2 R197.2 R307.2 R417.2 U17.105(DOUT2B) U34.105(DOUT2B) U51.105(DOUT2B) U68.105(DOUT2B) U71.35
END_READOUT1: U68.112(END_READOUT1) U71.6
END_READOUT2: U68.113(END_READOUT2) U71.3
ESD_P1_ASIC1: C1.1 R1.2 U1.6(IO4)
ESD_P1_ASIC2: C94.1 R111.2 U18.6(IO4)
ESD_P1_ASIC3: C187.1 R221.2 U35.6(IO4)
ESD_P1_ASIC4: C280.1 R331.2 U52.6(IO4)
ESD_P2_ASIC1: C4.1 R4.2 U1.4(IO3)
ESD_P2_ASIC2: C97.1 R114.2 U18.4(IO3)
ESD_P2_ASIC3: C190.1 R224.2 U35.4(IO3)
ESD_P2_ASIC4: C283.1 R334.2 U52.4(IO3)
ESD_P3_ASIC1: C7.1 R7.2 U1.3(IO2)
ESD_P3_ASIC2: C100.1 R117.2 U18.3(IO2)
ESD_P3_ASIC3: C193.1 R227.2 U35.3(IO2)
ESD_P3_ASIC4: C286.1 R337.2 U52.3(IO2)
ESD_P4_ASIC1: C10.1 R10.2 U1.1(IO1)
ESD_P4_ASIC2: C103.1 R120.2 U18.1(IO1)
ESD_P4_ASIC3: C196.1 R230.2 U35.1(IO1)
ESD_P4_ASIC4: C289.1 R340.2 U52.1(IO1)
ESD_P5_ASIC1: C14.1 R14.2 U2.6(IO4)
ESD_P5_ASIC2: C107.1 R124.2 U19.6(IO4)
ESD_P5_ASIC3: C200.1 R234.2 U36.6(IO4)
ESD_P5_ASIC4: C293.1 R344.2 U53.6(IO4)
ESD_P6_ASIC1: C18.1 R18.2 U2.4(IO3)
ESD_P6_ASIC2: C115.1 R128.2 U19.4(IO3)
ESD_P6_ASIC3: C204.1 R238.2 U36.4(IO3)
ESD_P6_ASIC4: C297.1 R348.2 U53.4(IO3)
ESD_P7_ASIC1: C26.1 R22.2 U2.3(IO2)
ESD_P7_ASIC2: C119.1 R132.2 U19.3(IO2)
ESD_P7_ASIC3: C212.1 R242.2 U36.3(IO2)
ESD_P7_ASIC4: C305.1 R352.2 U53.3(IO2)
ESD_P8_ASIC1: C30.1 R26.2 U2.1(IO1)
ESD_P8_ASIC2: C123.1 R136.2 U19.1(IO1)
ESD_P8_ASIC3: C216.1 R246.2 U36.1(IO1)
ESD_P8_ASIC4: C309.1 R356.2 U53.1(IO1)
ESD_P9_ASIC1: C34.1 R30.2 U3.6(IO4)
ESD_P9_ASIC2: C127.1 R140.2 U20.6(IO4)
ESD_P9_ASIC3: C220.1 R250.2 U37.6(IO4)
ESD_P9_ASIC4: C313.1 R360.2 U54.6(IO4)
ESD_P10_ASIC1: C38.1 R34.2 U3.4(IO3)
ESD_P10_ASIC2: C131.1 R144.2 U20.4(IO3)
ESD_P10_ASIC3: C224.1 R254.2 U37.4(IO3)
ESD_P10_ASIC4: C317.1 R364.2 U54.4(IO3)
ESD_P11_ASIC1: C42.1 R42.2 U3.3(IO2)
ESD_P11_ASIC2: C135.1 R152.2 U20.3(IO2)
ESD_P11_ASIC3: C228.1 R262.2 U37.3(IO2)
ESD_P11_ASIC4: C321.1 R372.2 U54.3(IO2)
ESD_P12_ASIC1: C46.1 R46.2 U3.1(IO1)
ESD_P12_ASIC2: C139.1 R156.2 U20.1(IO1)